# Altium PCB PCB MODULE AM625.PcbDoc (part 2 of 5)
Units mm, origin at the board's own origin, x right, y up, seen from the top; angles counter-clockwise.
Board outline 32.5 x 31.2 mm, 10 copper layers (Signal TOP, Ground Plane 1 (GND), Signal RAM 1, POWER 1, Signal IO 1, Signal IO 2, POWER 2, Signal RAM 2, Ground Plane 2 (GND), Signal Bottom), stack 1.563 mm thick; 228 components, 260 nets, 1274 pads, 471 vias.
Unrouted connection lines stored in the file: 1.
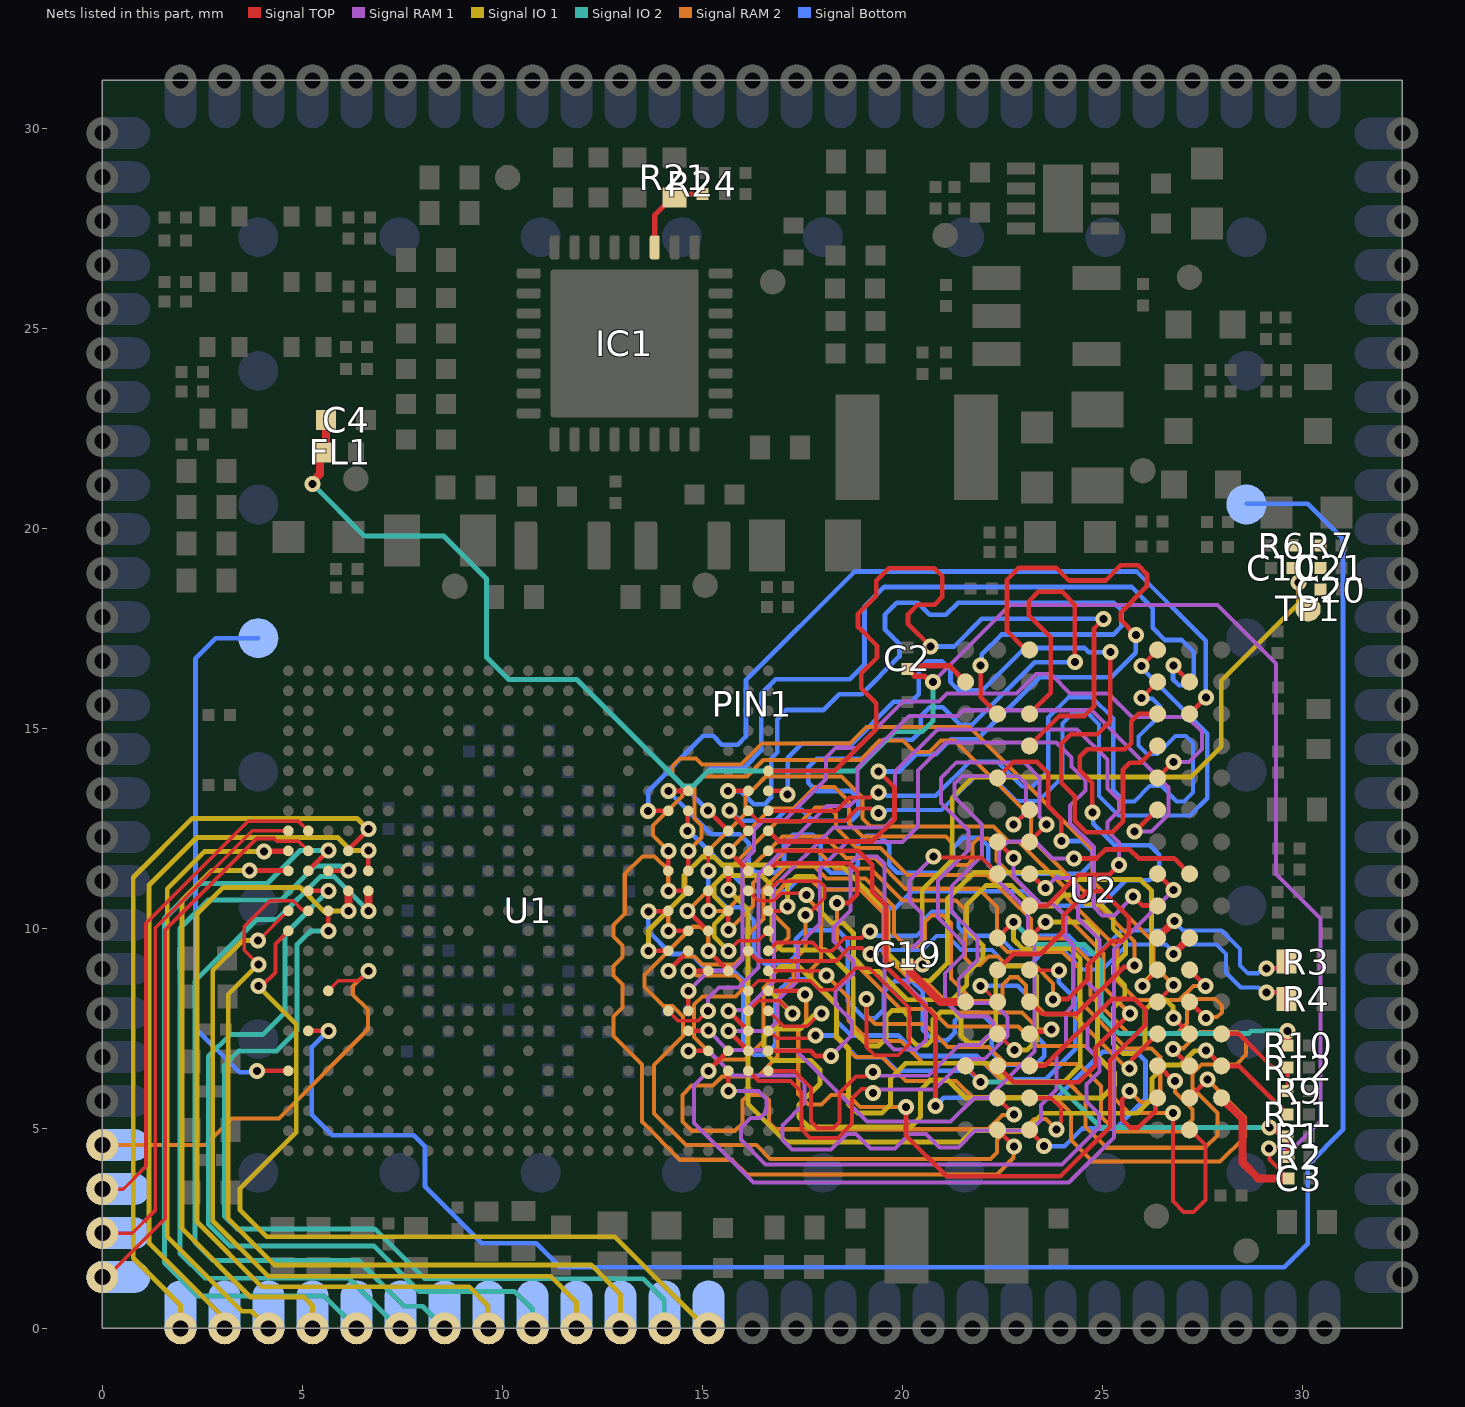
[diagram p10: the nets of this part, all layers, seen from the top]

## Part data (continued)
R35 R47 R48 R51 R52: library part RC0201FR-0733RL, "RES 33 OHM 1% 1/20W 0201", Case/Package=0201, Case Code (Metric)=0603, Manufacturer=Yageo, Max Operating Temperature=125°C, Max Power Dissipation=50mW, Min Operating Temperature=-55°C, Package Quantity=1, Resistance Tolerance=1%, Resistor Type="Thick Film", Supplier Part Number 1=311-33.0MTR-ND, Temperature Coefficient=200ppm/°C, Voltage Rating=25V, Case Code (Imperial)=0201, ComponentLink1Description=https://datasheet.ciiva.com/7672/1563626-7672223.pdf?src-supplier=Element14, ComponentLink1URL=https://datasheet.ciiva.com/7672/1563626-7672223.pdf?src-supplier=Element14, ComponentLink2Description=https://datasheet.ciiva.com/22698/1563626-22698520.pdf?src-supplier=Element14, ComponentLink2URL=https://datasheet.ciiva.com/22698/1563626-22698520.pdf?src-supplier=Element14, ComponentLink3Description=https://datasheet.ciiva.com/2560/pyu-r-int-thick-7-2560878.pdf?src-supplier=Digi-Key, ComponentLink3URL=https://datasheet.ciiva.com/2560/pyu-r-int-thick-7-2560878.pdf?src-supplier=Digi-Key, ComponentLink4Description=https://datasheet.ciiva.com/2560/pyu-r-int-thick-7-2560879.pdf?src-supplier=Digi-Key, ComponentLink4URL=https://datasheet.ciiva.com/2560/pyu-r-int-thick-7-2560879.pdf?src-supplier=Digi-Key, ComponentLink5Description=https://datasheet.ciiva.com/2560/pyu-r-int-thick-7-2560877.pdf?src-supplier=Digi-Key, ComponentLink5URL=https://datasheet.ciiva.com/2560/pyu-r-int-thick-7-2560877.pdf?src-supplier=Digi-Key, Features="Moisture Resistant", Height=0.01inch, Lead Free="Lead Free", Length=0.024inch, Manufacturer Part Number=RC0201FR-0733RL, Number of Terminations=2, Packaging="Cut Tape", Power Rating=50mW, Pricing 1="10000=0.0053, 50000=0.0042, 100000=0.0038 (USD)", Resistance=33R, RoHS Compliant=Yes, Series=RC, Size Code=0201, Stock 1=4610000, Supplier 1=Digi-Key, Termination=SMD/SMT, Tolerance=1%, Width=0.012inch
R49: library part RC0201FR-0756K2L, "RES 56.2K OHM 1% 1/20W 0201", Case/Package=0201, Case Code (Metric)=0603, Manufacturer=Yageo, Max Operating Temperature=125°C, Max Power Dissipation=50mW, Min Operating Temperature=-55°C, Resistance=56.2kR, Resistor Type="Thick Film", Supplier Part Number 1=YAG2731DKR-ND, Temperature Coefficient=200ppm/°C, Tolerance=1%, Case Code (Imperial)=0201, ComponentLink1Description=https://datasheet.octopart.com/RC0201FR-0756K2L-Yageo-datasheet-164759695.pdf?src-supplier=Future+Electronics, ComponentLink1URL=https://datasheet.octopart.com/RC0201FR-0756K2L-Yageo-datasheet-164759695.pdf?src-supplier=Future+Electronics, ComponentLink2Description=http://www.yageo.com/documents/recent/PYu-RC_Group_51_RoHS_L_10.pdf?src-supplier=Digi-Key, ComponentLink2URL=http://www.yageo.com/documents/recent/PYu-RC_Group_51_RoHS_L_10.pdf?src-supplier=Digi-Key, ComponentLink3Description=https://www.yageo.com/upload/media/product/productsearch/datasheet/rchip/PYu-RC_Group_51_RoHS_L_11.pdf?src-supplier=Digi-Key, ComponentLink3URL=https://www.yageo.com/upload/media/product/productsearch/datasheet/rchip/PYu-RC_Group_51_RoHS_L_11.pdf?src-supplier=Digi-Key, ComponentLink4Description=http://www.yageo.com/documents/recent/PYu-RC_Group_51_RoHS_L_9.pdf?src-supplier=Digi-Key, ComponentLink4URL=http://www.yageo.com/documents/recent/PYu-RC_Group_51_RoHS_L_9.pdf?src-supplier=Digi-Key, Depth=0.3mm, Features="Moisture Resistant", Height=0.01inch, Length=0.024inch, Manufacturer Part Number=RC0201FR-0756K2L, Military Standard=Not, Number of Terminations=2, Packaging="Cut Tape", Pricing 1="1=0.1, 10=0.026, 50=0.0162, 100=0.0136, 500=0.0094, 1000=0.0081, 5000=0.006 (USD)", RoHS Compliant=Yes, Series=RC, Stock 1=241829, Supplier 1=Digi-Key, Width=0.012inch
R50: library part RC0201FR-079K76L, "RES 9.76K OHM 1% 1/20W 0201", Case/Package=0201, Case Code (Metric)=0603, Manufacturer=Yageo, Max Operating Temperature=125°C, Max Power Dissipation=50mW, Min Operating Temperature=-55°C, Resistance=9.76kR, Resistor Type="Thick Film", Supplier Part Number 1=YAG2860TR-ND, Temperature Coefficient=200ppm/°C, Tolerance=1%, Case Code (Imperial)=0201, ComponentLink1Description=http://www.yageo.com/documents/recent/PYu-RC_Group_51_RoHS_L_9.pdf?src-supplier=Digi-Key, ComponentLink1URL=http://www.yageo.com/documents/recent/PYu-RC_Group_51_RoHS_L_9.pdf?src-supplier=Digi-Key, ComponentLink2Description=https://www.yageo.com/upload/media/product/productsearch/datasheet/rchip/PYu-RC_Group_51_RoHS_L_10.pdf?src-supplier=Digi-Key, ComponentLink2URL=https://www.yageo.com/upload/media/product/productsearch/datasheet/rchip/PYu-RC_Group_51_RoHS_L_10.pdf?src-supplier=Digi-Key, Features="Moisture Resistant", Height=0.01inch, Length=0.024inch, Manufacturer Part Number=RC0201FR-079K76L, Number of Terminations=2, Packaging="Cut Tape", Pricing 1="10000=0.0053, 20000=0.0048, 30000=0.0045, 50000=0.0042, 100000=0.0038 (USD)", RoHS Compliant=Yes, Series=RC, Stock 1=0, Supplier 1=Digi-Key, Width=0.012inch
R54 R56: library part RT0402BRD07499RL, "RES SMD 499 OHM 0.1% 1/16W 0402", Case/Package=0402, Case Code (Metric)=1005, Manufacturer=Yageo, Max Operating Temperature=155°C, Max Power Dissipation=63mW, Min Operating Temperature=-55°C, Package Quantity=10000, Power Rating=62.5mW, Resistor Type="Thin Film", Supplier Part Number 1=YAG1440TR-ND, Temperature Coefficient=25ppm/°C, Tolerance=0.1%, Voltage Rating=50V, Case Code (Imperial)=0402, ComponentLink1Description=https://datasheet.ciiva.com/12724/pyu-rt-1-to-0-05-rohs-l-4-12724797.pdf?src-supplier=Mouser, ComponentLink1URL=https://datasheet.ciiva.com/12724/pyu-rt-1-to-0-05-rohs-l-4-12724797.pdf?src-supplier=Mouser, ComponentLink2Description=https://datasheet.ciiva.com/2582/pyu-rt-1-to-0-05-rohs-l-4-2582397.pdf?src-supplier=Digi-Key, ComponentLink2URL=https://datasheet.ciiva.com/2582/pyu-rt-1-to-0-05-rohs-l-4-2582397.pdf?src-supplier=Digi-Key, ComponentLink3Description=https://datasheet.ciiva.com/46635/pyu-rt-1-to-0-05-rohs-l-5-46635222.pdf?src-supplier=Digi-Key, ComponentLink3URL=https://datasheet.ciiva.com/46635/pyu-rt-1-to-0-05-rohs-l-5-46635222.pdf?src-supplier=Digi-Key, Features="Moisture Resistant", Height=0.014inch, Lead Free="Lead Free", Length=0.039inch, Manufacturer Part Number=RT0402BRD07499RL, Number of Terminations=2, Packaging="Tape and Reel", Pricing 1="10000=0.0411, 30000=0.0391, 50000=0.0383, 100000=0.0375 (USD)", Resistance=499R, RoHS Compliant=Yes, Series=RT, Size Code=0402, Stock 1=20000, Supplier 1=Digi-Key, Termination=SMD/SMT, Voltage Rating (DC)=50V, Width=0.02inch
TP1 TP2 TP3 TP4 TP5 TP6 TP7 TP8 TP9 TP10 TP11: "Test Point 25mil"
U1: "ARM® Cortex®-A53 Microprocessor IC Sitara™ 2 Core, 64-Bit 1.4GHz 425-FCCSP (13x13)", Manufacturer="Texas Instruments", Manufacturer Part Number=AM6252ATCGGAALW, Supplier Part Number 1=595-AM6252ATCGGAALW, Pricing 1="1=21.23, 10=19.58, 50=18.7, 100=18.7, 1000=15.94, 10000=15.94 (USD)", Stock 1=0, Supplier 1=Mouser
U2: "SDRAM - DDR4 Memory IC 8Gbit Parallel 1.33 GHz 96-FBGA (7.5x13.5)", Case/Package=TFBGA, Frequency=1.6GHz, Manufacturer="Micron Technology", Manufacturer Part Number="MT40A512M16LY-062E:E TR", Max Operating Temperature=95°C, Min Operating Temperature=0°C, Supplier Part Number 1=MT40A512M16LY-062E:ETR-ND, ComponentLink1Description=https://www.micron.com/~/media/documents/products/data-sheet/dram/ddr4/8gb_ddr4_sdram.pdf?src-supplier=Digi-Key, ComponentLink1URL=https://www.micron.com/~/media/documents/products/data-sheet/dram/ddr4/8gb_ddr4_sdram.pdf?src-supplier=Digi-Key, ComponentLink2Description=https://datasheet.octopart.com/MT40A512M16LY-062E%3AE-TR-Micron-datasheet-163656737.pdf?src-supplier=SHENGYU+ELECTRONICS, ComponentLink2URL=https://datasheet.octopart.com/MT40A512M16LY-062E%3AE-TR-Micron-datasheet-163656737.pdf?src-supplier=SHENGYU+ELECTRONICShttps://datasheet.octopart.com/MT40A512M16LY-062E%3AE-TR-Micron-datasheet-163656737.pdf?src-supplier=SHENGYU+ELECTRONICS, Memory Size=8Gb, Memory Type=Volatile, Mount="Surface Mount", Packaging="Tape and Reel", Pricing 1="2000=5.4055 (USD)", Series=-, Stock 1=0, Supplier 1=Digi-Key
Y1: library part XRCGB25M000F3M00R0, "CRYSTAL 25.0000MHZ 6PF SMD", Case/Package=SMD/SMT, ESR (Equivalent Series Resistance)=150R, Frequency=25MHz, Frequency Stability=40ppm, Frequency Tolerance=30ppm, Load Capacitance=6pF, Manufacturer=Murata, Max Operating Temperature=85°C, Min Operating Temperature=-30°C, Package Quantity=1, Supplier Part Number 1=490-5578-6-ND, ComponentLink1Description=https://datasheet.ciiva.com/18026/getdatasheetpartid-711202-18026505.pdf?src-supplier=Verical, ComponentLink1URL=https://datasheet.ciiva.com/18026/getdatasheetpartid-711202-18026505.pdf?src-supplier=Verical, ComponentLink2Description=https://datasheet.ciiva.com/1361/p79e-1361519.pdf?src-supplier=Element14, ComponentLink2URL=https://datasheet.ciiva.com/1361/p79e-1361519.pdf?src-supplier=Element14, ComponentLink3Description=https://datasheet.ciiva.com/22695/p79e-22695438.pdf?src-supplier=Element14, ComponentLink3URL=https://datasheet.ciiva.com/22695/p79e-22695438.pdf?src-supplier=Element14, ComponentLink4Description=https://datasheet.ciiva.com/852/p79e-852299.pdf?src-supplier=Digi-Key, ComponentLink4URL=https://datasheet.ciiva.com/852/p79e-852299.pdf?src-supplier=Digi-Key, ComponentLink5Description=https://datasheet.ciiva.com/852/p79e-852298.pdf?src-supplier=Digi-Key, ComponentLink5URL=https://datasheet.ciiva.com/852/p79e-852298.pdf?src-supplier=Digi-Key, ComponentLink6Description=https://datasheet.ciiva.com/852/p79e-852300.pdf?src-supplier=Digi-Key, ComponentLink6URL=https://datasheet.ciiva.com/852/p79e-852300.pdf?src-supplier=Digi-Key, Depth=1.6mm, Height=0.028inch, Lead Free="Lead Free", Length=2mm, Manufacturer Part Number=XRCGB25M000F3M00R0, Mount="Surface Mount", Number of Pins=4, Packaging="Tape and Reel", Pricing 1="1=0.31, 10=0.256, 50=0.2306, 100=0.205, 500=0.1948, 1000=0.164 (USD)", Reach SVHC Compliant=Yes, RoHS Compliant=Yes, Series=XRCGB, Series Resistance=150R, Stock 1=131079, Supplier 1=Digi-Key, Termination=SMD/SMT, Tolerance=30ppm, Width=1.6mm
Y2: library part ECS-.327-9-34QCS-TR, "CRYSTAL 32.7680KHZ 9PF SMD", Case/Package=SMD/SMT, ESR (Equivalent Series Resistance)=70kR, Frequency=32.768kHz, Frequency Tolerance=10ppm, Load Capacitance=9pF, Manufacturer="ECS International", Max Operating Temperature=125°C, Min Operating Temperature=-40°C, Ratings=AEC-Q200, Supplier Part Number 1=XC2160TR-ND, ComponentLink1Description=https://www.ecsxtal.com/store/pdf/ECX-34Q.pdf?src-supplier=Digi-Key, ComponentLink1URL=https://www.ecsxtal.com/store/pdf/ECX-34Q.pdf?src-supplier=Digi-Key, ComponentLink2Description=http://www.ecsxtal.com/store/pdf/partnumber4.pdf?src-supplier=Digi-Key, ComponentLink2URL=http://www.ecsxtal.com/store/pdf/partnumber4.pdf?src-supplier=Digi-Key, ComponentLink3Description=https://datasheet.octopart.com/ECS-.327-9-34QCS-TR-ECS-International-datasheet-101745702.pdf?src-supplier=Master+Electronics, ComponentLink3URL=https://datasheet.octopart.com/ECS-.327-9-34QCS-TR-ECS-International-datasheet-101745702.pdf?src-supplier=Master+Electronics, Height=0.035inch, Length=0.126inch, Manufacturer Part Number=ECS-.327-9-34QCS-TR, Mount="Surface Mount", Packaging="Cut Tape", Pricing 1="3000=0.5643, 6000=0.5448, 15000=0.5254 (USD)", Series=ECX-34Q, Stock 1=45000, Supplier 1=Digi-Key, Width=0.061inch

## Via types
v1: diameter 0.4, hole 0.2, Signal TOP to Signal Bottom, tented both sides, 442 vias
v2: diameter 0.6, hole 0.25, Signal TOP to Signal Bottom, tented both sides, 29 vias

## Nets (pads, with @x,y where several pads share a name; then routed paths per layer and width w, separated by ;. In a path a pad name is that pad's centre, name@x,y a point inside that pad or via, vN(x,y) a via of type N, cw(c..) or ccw(c..) an arc to the next point about the centre after c; other vN are vias at no path point)
BOOTMODE0: PIN1.96 PIN1.96_1 U1.M25 | length 21.3
  Signal TOP w0.1: v1(3.9,8.554) 3.979,8.554 4.325,8.9 4.325,9.611 U1.M25@4.65,9.936
  Signal IO 1 w0.122: v1(3.9,8.554) 4.85,7.604 4.85,4.897 3.441,3.489 3.441,2.96 4.111,2.29 12.816,2.29 15.106,0 PIN1.96_1@15.156,0
BOOTMODE1: PIN1.97 PIN1.97_1 U1.N23 | length 22.1
  Signal TOP w0.117: v1(5.65,9.936) U1.N23@5.65,10.436
  Signal IO 2 w0.122: v1(5.65,9.936) 5.207,9.936 4.871,9.6 4.871,7.448 4.36,6.937 3.413,6.937 3.056,6.58 3.056,2.801 3.372,2.485 6.812,2.485 8.059,1.239 13.519,1.239 14.05,0.707 14.05,0.006 PIN1.97_1@14.056,0
BOOTMODE2: PIN1.98 PIN1.98_1 U1.N24 | length 21.2
  Signal TOP w0.09: v1(3.9,9.1) 3.552,9.448 3.552,10.047 4.191,10.686 4.772,10.686 4.988,10.47 5.115,10.47 U1.N24@5.15,10.436
  Signal IO 1 w0.122: v1(3.9,9.1) 3.148,8.348 3.148,2.738 4.299,1.586 12.22,1.586 12.956,0.85 PIN1.98_1@12.956,0
BOOTMODE3: PIN1.99 PIN1.99_1 U1.N25 | length 19.4
  Signal TOP w0.09: v1(3.888,9.692) 3.897,9.692 4.64,10.436 U1.N25@4.65,10.436
  Signal IO 1 w0.122: v1(3.888,9.692) 3.505,9.691 2.761,8.948 2.761,2.683 4.144,1.3 11.211,1.3 11.856,0.655 PIN1.99_1@11.856,0
BOOTMODE4: PIN1.100 PIN1.100_1 U1.P24 | length 20
  Signal TOP w0.117: U1.P24@5.15,10.936 v1(5.65,10.936)
  Signal IO 2 w0.122: v1(5.65,10.936) 4.57,9.856 4.57,7.903 4.009,7.342 3.195,7.342 2.65,6.797 2.65,2.597 3.194,2.053 6.796,2.053 7.931,0.918 10.312,0.918 10.756,0.475 PIN1.100_1@10.756,0
BOOTMODE5: PIN1.101 PIN1.101_1 U1.P22 | length 21.2
  Signal TOP w0.2: U1.P22@6.15,10.936 6.154,10.931 6.154,10.441 v1(6.159,10.436)
  Signal IO 1 w0.122: v1(6.159,10.436) 5.528,10.436 4.942,11.022 3.025,11.022 2.368,10.365 2.368,2.66 3.988,1.04 9.171,1.04 9.64,0.57 9.64,0.016 PIN1.101_1@9.656,0
BOOTMODE6: PIN1.102 PIN1.102_1 U1.P21 | length 19.9
  Signal TOP w0.2: U1.P21@6.65,10.936 6.654,10.931 6.654,10.441 v1(6.659,10.436)
  Signal IO 2 w0.122: v1(6.659,10.436) 6.653,10.436 5.795,11.294 5.452,11.294 4.377,10.219 3.856,10.219 2.314,8.676 2.314,2.153 2.772,1.695 6.405,1.695 7.425,0.675 7.55,0.55 8.006,0.55 PIN1.102_1@8.556,0
BOOTMODE7: PIN1.103 PIN1.103_1 U1.R23 | length 19.8
  Signal TOP w0.117: U1.R23@5.65,11.436 5.654,11.441 6.145,11.441 v1(6.149,11.445)
  Signal IO 2 w0.122: v1(6.149,11.445) 6.074,11.445 5.958,11.562 5.326,11.562 4.471,10.707 2.651,10.707 1.939,9.994 1.939,1.882 2.571,1.25 6.168,1.25 PIN1.103_1@7.437,-0.019
BOOTMODE8: PIN1.104 PIN1.104_1 U1.R24 | length 19.6
  Signal TOP w0.117: U1.R24@5.15,11.436 5.15,11.441 5.65,11.941 v1(5.65,11.945)
  Signal IO 2 w0.122: v1(5.65,11.945) 4.944,11.945 4.119,11.12 2.43,11.12 1.554,10.244 1.554,1.638 2.386,0.806 5.55,0.806 PIN1.104_1@6.356,0
BOOTMODE9: PIN1.105 PIN1.105_1 U1.R25 | length 15.8
  Signal TOP w0.13: v1(3.675,11.449) 3.682,11.443 4.643,11.443 U1.R25@4.65,11.436
  Signal IO 1 w0.122: v1(3.675,11.449) 2.736,11.449 1.988,10.701 1.988,2.497 3.705,0.78 5.046,0.78 5.256,0.57 PIN1.105_1@5.256,0
BOOTMODE10: PIN1.106 PIN1.106_1 U1.T25 | length 15.6
  Signal TOP w0.13: v1(4.048,11.915) 4.058,11.926 4.639,11.926 U1.T25@4.65,11.936
  Signal IO 1 w0.122: v1(4.048,11.915) 2.548,11.915 1.623,10.99 1.623,2.289 3.487,0.425 3.731,0.425 PIN1.106_1@4.156,0
BOOTMODE11: PIN1.107 PIN1.107_1 U1.R21 | length 18.5
  Signal TOP w0.117: U1.R21@6.65,11.436 v1(6.65,11.945)
  Signal IO 1 w0.122: PIN1.107_1@3.056,0 2.926,0.13 2.926,0.374 1.171,2.129 1.171,11.082 2.359,12.27 5.882,12.27 6.207,11.945 v1(6.65,11.945)
BOOTMODE12: PIN1.108 PIN1.108_1 U1.T22 | length 19.1
  Signal TOP w0.117: U1.T22@6.15,11.936 6.15,11.962 6.65,12.463 v1(6.65,12.488)
  Signal IO 1 w0.122: PIN1.108_1@1.956,0 1.951,0.005 1.951,0.583 0.775,1.758 0.775,11.269 2.253,12.747 6.367,12.747 6.626,12.488 v1(6.65,12.488)
BOOTMODE13: PIN1.1 PIN1.1_1 PIN1.1_2 U1.T24 | length 14.3
  Signal TOP w0.09: PIN1.1_2@0,1.279 0.105,1.279 1.568,2.742 1.568,9.957 3.857,12.246 4.295,12.246 4.361,12.179 4.906,12.179 U1.T24@5.15,11.936
  Signal IO 1 w0.1: PIN1.1_2@0,1.3 PIN1.1_2@0.277,1.3
BOOTMODE14: PIN1.2 PIN1.2_1 PIN1.2_2 U1.U25 | length 13.2
  Signal TOP w0.09: PIN1.2_2@0,2.379 0.752,2.379 1.328,2.956 1.328,10.016 3.749,12.436 U1.U25@4.65,12.436
  Signal IO 1 w0.1: PIN1.2_2@0,2.6 PIN1.2_2@0.277,2.6
BOOTMODE15: PIN1.3 PIN1.3_1 PIN1.3_2 U1.U24 | length 12.6
  Signal TOP w0.09: PIN1.3_2@0,3.479 0.521,3.479 1.091,4.049 1.091,10.126 3.645,12.679 4.906,12.679 U1.U24@5.15,12.436
DDR_A0: U1.J1 U2.P3 | length 20.3
  Signal TOP w0.117: U1.J1@16.65,8.436 17.391,8.436 17.486,8.341 v1(17.563,8.341) ; v1(20.093,5.535) 20.093,4.816 21.109,3.799 23.955,3.799 25.199,5.043 25.199,6.707 26.081,7.59 26.081,7.963 25.813,8.23 25.236,8.23 23.567,6.561 U2.P3@23.181,6.561
  Signal RAM 2 w0.102: v1(17.563,8.341) 17.599,8.304 17.599,7.642 17.398,7.441 17.398,5.859 17.66,5.597 17.978,5.597 18.216,5.834 18.646,5.834 18.945,5.535 v1(20.093,5.535)
DDR_A1: U1.J2 U2.P7 | length 20.3
  Signal TOP w0.09: U1.J2@16.15,8.436 16.401,8.687 17.695,8.687 17.92,8.462 18.28,8.462 18.822,9.004 19.178,9.004 20.178,8.004 20.178,7.104 19.899,6.824 19.31,6.824 19.105,7.029 v1(19.105,8.231)
  Signal TOP w0.117: U2.P7@26.345,6.561 U2.P7@26.381,6.561 26.406,6.561 26.788,6.179 v1(26.814,6.179)
  Signal RAM 2 w0.102: v1(19.105,8.231) 19.105,7.829 19.324,7.611 20.561,7.611 21.137,7.035 22.159,7.035 22.589,6.605 24.419,6.605 24.966,6.058 24.966,5.292 25.333,4.925 26.965,4.925 27.256,5.216 27.256,5.469 26.814,5.911 v1(26.814,6.179)
DDR_A2: U1.K3 U2.R3 | length 20.3
  Signal TOP w0.102: U2.R3@23.181,5.761 23.721,5.761 23.967,5.515 23.967,5.161 23.856,5.049 v1(23.856,4.969)
  Signal TOP w0.117: v1(15.15,9.436) U1.K3@15.65,8.936
  Signal RAM 2 w0.102: v1(15.15,9.436) 15.15,9.855 14.966,10.039 14.756,10.039 13.555,8.838 13.555,8.535 14.029,8.061 14.251,8.061 14.519,7.792 14.519,7.305 13.795,6.58 13.795,5.372 14.589,4.578 16.355,4.578 16.697,4.235 22.207,4.235 22.364,4.392 22.364,4.706 22.563,4.905 22.959,4.905 23.289,5.234 23.591,5.234 v1(23.856,4.969)
DDR_A3: U1.L5 U2.N7 | length 20.3
  Signal TOP w0.117: v1(14.15,8.936) U1.L5@14.65,9.436 ; v1(25.683,6.496) 25.737,6.55 25.737,6.718 U2.N7@26.381,7.361
  Signal RAM 2 w0.102: v1(14.15,8.936) 14.507,9.293 14.805,9.293 15.005,9.094 15.803,9.094 16.118,9.409 16.118,9.819 16.532,10.233 16.532,10.986 17.092,11.546 17.804,11.546 18.107,11.243 19.082,11.243 19.796,10.529 19.796,9.859 20.115,9.54 20.383,9.54 20.561,9.718 20.561,10.15 20.735,10.324 21.024,10.324 21.213,10.135 21.213,8.745 21.779,8.179 22.399,8.179 22.503,8.283 22.503,8.583 22.696,8.776 22.891,8.776 23.096,8.571 23.096,8.335 23.584,7.847 24.266,7.847 25.616,6.496 v1(25.683,6.496)
DDR_A4: U1.K4 U2.N3 | length 20.3
  Signal TOP w0.117: v1(14.65,8.936) U1.K4@15.15,8.936 ; U2.N3@23.181,7.361 23.235,7.416 23.671,7.416 v1(23.725,7.47)
  Signal RAM 2 w0.102: v1(14.65,8.936) 14.73,8.936 14.85,8.816 15.841,8.816 15.976,8.681 15.976,8.443 15.825,8.293 15,8.293 14.796,8.089 14.796,7.281 15.356,6.721 16.066,6.721 16.53,7.184 16.53,8.504 16.792,8.766 16.792,9.403 17.154,9.765 17.154,9.965 16.775,10.344 16.775,10.813 17.163,11.201 17.735,11.201 17.971,10.965 18.944,10.965 19.531,10.378 19.531,9.371 20.199,8.704 20.549,8.704 21.363,7.89 22.994,7.89 23.414,7.47 v1(23.725,7.47)
DDR_A5: U1.K1 U2.P8 | length 20.3
  Signal TOP w0.09: U1.K1@16.65,8.936 17.913,8.936 18.025,8.824 v1(18.109,8.824)
  Signal TOP w0.117: v1(26.762,6.98) U2.P8@27.181,6.561
  Signal RAM 2 w0.102: v1(18.109,8.824) 18.66,8.273 18.66,7.694 19.169,7.185 19.971,7.185 20.519,6.637 22.041,6.637 22.497,6.181 24.111,6.181 24.582,5.71 24.582,5.033 25.101,4.514 27.572,4.514 27.878,4.82 27.878,5.381 27.256,6.003 27.256,6.376 27.475,6.595 28.352,6.595 28.596,6.839 28.596,7.19 28.38,7.406 27.44,7.406 27.035,7.002 26.784,7.002 v1(26.762,6.98)
DDR_A6: U1.R2 U2.P2 | length 20.2
  Signal TOP w0.117: v1(15.653,11.936) 15.653,11.934 16.15,11.438 U1.R2@16.15,11.436 ; U2.P2@22.381,6.561 22.787,6.155 23.975,6.155 24.414,6.155 24.831,6.572 24.831,7.011 v1(25.686,7.866)
  Signal RAM 2 w0.102: v1(15.653,11.936) 16.714,12.996 17.279,12.996 17.819,13.536 18.306,13.536 18.669,13.173 18.669,12.622 19.001,12.291 21.088,12.291 21.227,12.151 21.227,11.728 21.371,11.584 21.626,11.584 21.756,11.714 21.756,12.105 21.897,12.247 22.147,12.247 22.358,12.036 22.358,11.698 23.459,10.596 23.8,10.596 25.025,9.371 25.025,8.528 v1(25.686,7.866)
DDR_A7: U1.P2 U2.R8 | length 20.4
  Signal TOP w0.09: U1.P2@16.15,10.936 16.399,10.686 16.785,10.686 16.979,10.881 17.553,10.881 v1(17.599,10.835)
  Signal TOP w0.117: U2.R8@27.181,5.761 27.181,5.767 27.626,6.212 v1(27.626,6.218)
  Signal RAM 2 w0.102: v1(17.599,10.835) 17.599,10.771 17.971,10.4 17.971,9.226 17.73,8.985 17.73,8.68 18.349,8.061 18.349,7.256 18.826,6.779 19.49,6.779 20.088,6.181 21.344,6.181 21.743,5.782 23.818,5.782 24.215,5.385 24.215,4.704 24.754,4.165 27.948,4.165 28.57,4.787 28.57,5.274 v1(27.626,6.218)
DDR_A8: U1.P1 U2.R2 | length 20.3
  Signal TOP w0.09: U1.P1@16.65,10.936 16.892,11.178 17.927,11.178 18.06,11.045 18.06,10.765 17.623,10.328 v1(17.584,10.328) ; U2.R2@22.381,5.761 22.381,5.758 22.793,5.346 v1(22.793,5.342)
  Signal RAM 2 w0.102: v1(17.584,10.328) 17.584,9.499 17.28,9.194 17.28,8.686 16.883,8.29 16.883,6.789 16.388,6.294 15.499,6.294 15.271,6.066 14.732,6.066 14.5,5.835 14.5,5.166 14.728,4.939 15.822,4.939 16.005,5.122 16.005,5.701 16.139,5.835 16.532,5.835 16.662,5.704 16.662,5.147 16.833,4.976 22.143,4.976 22.503,5.337 22.787,5.337 v1(22.793,5.342)
DDR_A9: U1.P4 U2.R7 | length 20.2
  Signal TOP w0.117: v1(15.15,10.436) U1.P4@15.15,10.936 ; v1(25.682,5.933) 25.682,5.907 25.497,5.723 25.497,5.214 25.689,5.022 25.91,5.022 26.331,5.444 26.331,5.712 U2.R7@26.381,5.761
  Signal RAM 2 w0.102: v1(15.15,10.436) 15.598,10.436 16.007,10.844 16.007,11.307 17,12.3 18.05,12.3 18.597,11.753 19.315,11.753 20.08,10.988 21.913,10.988 22.366,10.536 22.366,9.671 22.625,9.412 24.007,9.412 24.413,9.006 24.413,8.193 25.607,6.999 26.228,6.999 26.448,6.779 26.448,5.817 26.293,5.662 25.953,5.662 v1(25.682,5.933)